# Altium PCB pay-ssm-v4-1.PcbDoc (part 2 of 2) (continued)
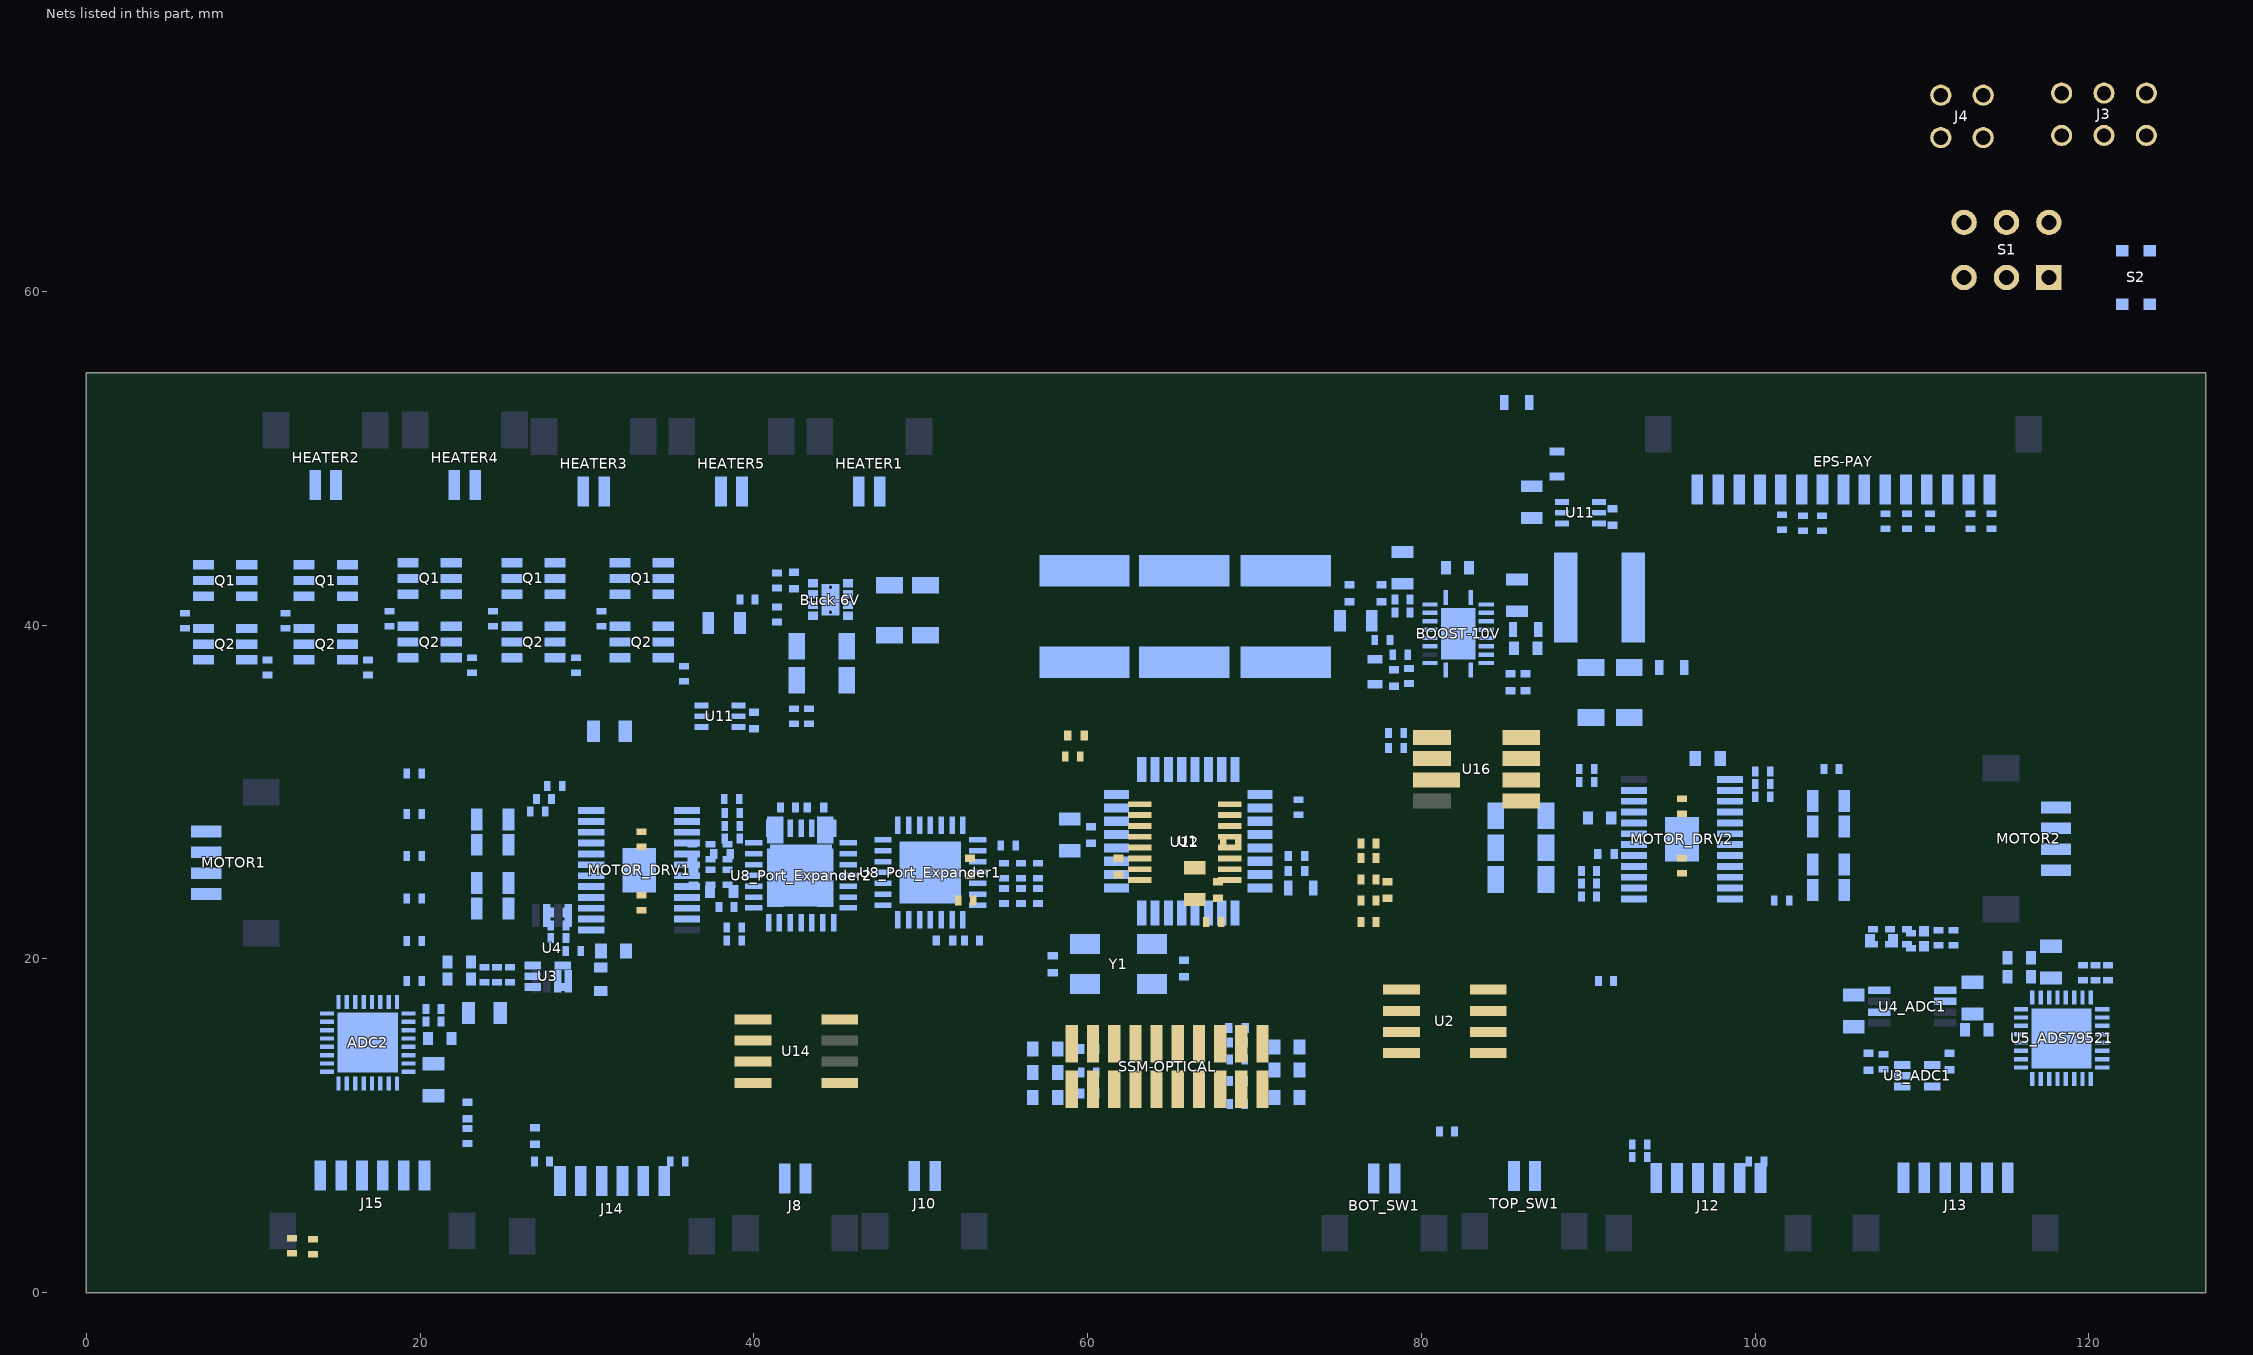
[diagram p4: the nets of this part, all layers, seen from the top]
## Part data (continued)
R80 R81 R82 R83 R84 R85: library part RES0402, "0402 resistor", Case Code (Metric)=1005, Manufacturer="TE Connectivity", Manufacturer Part Number=CRGCQ0402F330R, Max Operating Temperature=155°C, Max Power Dissipation=63mW, Min Operating Temperature=-55°C, Resistance=330R, Supplier Part Number 1=A129621CT-ND, Temperature Coefficient=100ppm/°C, Tolerance=1%, Case/Package=0402, Case Code (Imperial)=0402, Composition="Thick Film", Features="Moisture Resistant,Automotive AEC-Q200", Number of Terminations=2, Packaging="Tape and Reel", Pricing 1="1=0.1, 10=0.022, 100=0.009, 1000=0.00406, 2500=0.00352, 5000=0.00291 (USD)", Stock 1=224275, Supplier 1=Digi-Key
S1: library part "DPDT Switch", "DPDT Switch, customized for the pinout of the JS202011AQN switch.", Supplier Part Number 1=401-2000-ND, Supplier 1=Digi-Key
S2: library part "Pushbutton - Low Profile", "Schematic symbol for a generic 2-pin pushbutton, OFF-mom.", Supplier Part Number 1=CKN10587CT-ND, Supplier 1=Digi-Key
SSM-OPTICAL: Supplier Part Number 1=SAM8969-ND, Supplier 1=Digi-Key
U1: library part ATMEGA64M1_QFP, "Atmel 8-bit AVR microcontroller.", Supplier Part Number 1=ATMEGA64M1-AU-ND, Supplier 1=Digi-Key
U2: "3.3V CAN Transceiver with Standby Mode, Loop-back 8-SOIC -40 to 125", Package="SOIC-8 Texas Instruments", Supplier Part Number 1=296-14639-5-ND, Availability=Good, MF="Texas Instruments", MP=SN65HVD233D, Price="2.39 USD", SnapEDA_Link=https://www.snapeda.com/parts/SN65HVD233D/Texas%20Instruments/view-part/?ref=snap, Supplier 1=Digi-Key
U3 U3_ADC1: "Low power, low noise rail-to-rail op-amp.", Supplier Part Number 1=AD8613AKSZ-REEL7CT-ND, Supplier 1=Digi-Key
U4 U4_ADC1: "Voltage Reference", Supplier Part Number 1=296-41382-1-ND, Supplier 1=Digi-Key
U8_Port_Expander1 U8_Port_Expander2: "16 channel SPI port expander", Supplier Part Number 1=MCP23S17T-E/MLCT-ND, Supplier 1=Digi-Key
U11 U11: "IC CURR SENSE 1 CIRCUIT SC70-6", Supplier Part Number 1=296-51151-1-ND, ComponentLink1Description=Datasheet, ComponentLink1URL=http://www.ti.com/general/docs/suppproductinfo.tsp?distId=10&gotoUrl=http%3A%2F%2Fwww.ti.com%2Flit%2Fgpn%2Fina213-q1, Supplier 1=Digi-Key
U12: "Hex non-inverting buffer with 3-state outputs", Supplier Part Number 1=296-33932-5-ND, Supplier 1=Digi-Key
U14: "Digital humidity/temperature sensors. +/- 3% RH, 0-100%, SPI output. Model version with filter and condensation resistant.", Supplier Part Number=480-5705-1-ND, ComponentLink1Description=Datasheet, ComponentLink1URL=https://sensing.honeywell.com/index.php?ci_id=147071, Supplier=Digi-Key, Supplier 1=Digi-Key, Supplier Part Number 1=480-5705-1-ND
U16: "Digital 24-bit pressure sensor with SPI output. Operating range from 0-5bar, includes onboard temperature sensor and hermetic seal.", Supplier Part Number 1=824-MS580305BA01-00, ComponentLink1Description=14BA-Datasheet, ComponentLink1URL=https://www.te.com/commerce/DocumentDelivery/DDEController?Action=srchrtrv&DocNm=MS5803-14BA&DocType=Data+Sheet&DocLang=English, ComponentLink2Description=05BA-Datasheet, ComponentLink2URL=https://www.te.com/commerce/DocumentDelivery/DDEController?Action=srchrtrv&DocNm=MS5803-05BA&DocType=Data+Sheet&DocLang=English, Supplier 1=Mouser
Y1: library part AMB3B-8MHz, "8MHz Abracom 4-pin crystal.", Supplier Part Number 1=535-13456-1-ND, Supplier 1=Digi-Key

## Via types
v1: diameter 6.5, hole 3.6, Top Layer to Bottom Layer, 8 vias

## Nets (pads, with @x,y where several pads share a name; then routed paths per layer and width w, separated by ;. In a path a pad name is that pad's centre, name@x,y a point inside that pad or via, vN(x,y) a via of type N, cw(c..) or ccw(c..) an arc to the next point about the centre after c; other vN are vias at no path point)
+BATT: BATT2BST.2 BATT2HEAT.1 BATT2MOT.1 EPS-PAY.13 EPS-PAY.14 EPS-PAY.15
A0_Port_Expander1: R71_Port_Expander1.1 R74_Port_Expander1.2 U8_Port_Expander1.11
A0_Port_Expander2: R71.1 R74.2 U8_Port_Expander2.11
A1_Port_Expander1: R70_Port_Expander1.1 R73_Port_Expander1.2 U8_Port_Expander1.12
A1_Port_Expander2: R70.1 R73.2 U8_Port_Expander2.12
A2_Port_Expander1: R69_Port_Expander1.1 R72_Port_Expander1.2 U8_Port_Expander1.13
A2_Port_Expander2: R69.1 R72.2 U8_Port_Expander2.13
ADC1_CS_N: R19_ADC1.1 U1.26
ADC2_CS_N: R19.1 U1.27
ADC_AINP_ADC1: C11_ADC1.2 R21_ADC1.2 U5_ADS79521.3
ADC_AINP_ADC2: ADC2.3 C11.2 R21.2
ADC_BUF_OUT_ADC1: R21_ADC1.1 U3_ADC1.1 U3_ADC1.4
ADC_BUF_OUT_ADC2: R21.1 U3.1 U3.4
ADC_CH6_ADC1: R42.1 R78_MOT_DRV1.2 U5_ADS79521.12
ADC_CH7_ADC1: R43.1 R78_MOT_DRV2.2 U5_ADS79521.11
ADC_MXO_ADC1: U3_ADC1.3 U5_ADS79521.2
ADC_MXO_ADC2: ADC2.2 U3.3
ADECAY_MOTOR_DRV1: MOTOR_DRV1.3 R62.2@28.741,22.77 U8_Port_Expander1.22
ADECAY_MOTOR_DRV2: MOTOR_DRV2.3 R62.2@100.007,29.718 U8_Port_Expander1.2
AENBL_MOTOR_DRV1: MOTOR_DRV1.10 R58.2@27.501,28.829 U8_Port_Expander1.18
AENBL_MOTOR_DRV2: MOTOR_DRV2.10 R58.2@101.15,23.495 U8_Port_Expander1.26
AISEN_MOTOR_DRV1: MOTOR_DRV1.5 R56.2@25.304,23.024 R57.2@25.304,24.548
AISEN_MOTOR_DRV2: MOTOR_DRV2.5 R56.2@103.444,29.464 R57.2@103.444,27.94
AOUT1_MOTOR_DRV1: MOTOR1.1 MOTOR_DRV1.4
AOUT1_MOTOR_DRV2: MOTOR2.1 MOTOR_DRV2.4
AOUT2_MOTOR_DRV1: MOTOR1.2 MOTOR_DRV1.6
AOUT2_MOTOR_DRV2: MOTOR2.2 MOTOR_DRV2.6
AREF: C4.2 U1.21
AVCC: C3.2 L1.2 U1.19
BDECAY_MOTOR_DRV1: MOTOR_DRV1.2 R63.2@28.741,22.008 U8_Port_Expander1.23
BDECAY_MOTOR_DRV2: MOTOR_DRV2.2 R63.2@100.007,30.48 U8_Port_Expander1.3
BENBL_MOTOR_DRV1: MOTOR_DRV1.11 R59.2@27.882,29.591 U8_Port_Expander1.19
BENBL_MOTOR_DRV2: MOTOR_DRV2.11 R59.2@92.641,8.89 U8_Port_Expander1.27
BISEN_MOTOR_DRV1: MOTOR_DRV1.8 R54.2@25.304,26.834 R55.2@25.304,28.358
BISEN_MOTOR_DRV2: MOTOR_DRV2.8 R54.2@103.444,25.654 R55.2@103.444,24.13
BOOST_CURR_MON: U5_ADS79521.9 U11.6@88.435,47.386
BOOST_OUT: BOOST-10V.14 BOOST-10V.15 BOOST-10V.16 R28.1 R30.2 R32.2 U11.4@88.435,46.086
BOOST_TEMP: R36.1 R78.2@78.036,33.528 U5_ADS79521.10
BOOST_VOLT_DIV: BOOST-10V.17 R30.1 R34.2
BOOST_VOLT_MON: C30.2 R32.1 R35.2 U5_ADS79521.8
BOOT: BOOST-10V.8 C19.1
BOT_SW1_IRQ: BOT_SW1.2 R46.1 U8_Port_Expander2.19
BOT_SW2_IRQ: J10.2 R47.1 U8_Port_Expander2.20
BOUT1_MOTOR_DRV1: MOTOR1.3 MOTOR_DRV1.9
BOUT1_MOTOR_DRV2: MOTOR2.3 MOTOR_DRV2.9
BOUT2_MOTOR_DRV1: MOTOR1.4 MOTOR_DRV1.7
BOUT2_MOTOR_DRV2: MOTOR2.4 MOTOR_DRV2.7
BUCK_CURR_MON: ADC2.14 U11.6@36.873,35.194
BUCK_PWR_GOOD: Buck-6V.7 R38.2
BUCK_SS: Buck-6V.8 C35.2
BUCK_TEMP: ADC2.13 R41.1 R78.2@42.418,34.994
BUCK_VOLT_DIV: Buck-6V.6 R39.1 R40.1
BUCK_VOUT: Buck-6V.4 Buck-6V.5 R37.2 R38.1 U11.4@36.873,33.894
BUF_EN_N: R79.2 U12.1 U12.15
CAN_CM_F: C9.2 R12.1 R16.1
CANH: R2.2 R16.2 U2.7
CANH_R: EPS-PAY.2 R2.1
CANL: R1.2 R12.2 U2.6
CANL_R: EPS-PAY.1 R1.1
COMP: BOOST-10V.18 R27.2 R31.2
CONFIG_MOTOR_DRV1: MOTOR_DRV1.15 R51.1@38.255,27.977
CONFIG_MOTOR_DRV2: MOTOR_DRV2.15 R51.1@90.493,24.511
CS_N_R_ADC1: R19_ADC1.2 R24_ADS79521.1 U5_ADS79521.23
CS_N_R_ADC2: ADC2.23 R19.2 R24.1
EPS_RST: R10.2
EPS_RST_R: EPS-PAY.11 R10.1
FSW: BOOST-10V.3 R26.1
GEN_THM: ADC2.15 R76.1 R78_AmbientTemp.2
GND: ADC2.1 ADC2.4 ADC2.5 ADC2.6 ADC2.16 ADC2.17 ADC2.18 ADC2.19 ADC2.20 ADC2.22 ADC2.27 ADC2.30 ADC2.33 BOOST-10V.11 BOOST-10V.12 BOOST-10V.20 BOOST-10V.21 Buck-6V.3 Buck-6V.9 C1.1 C2.1 C3.1 C4.1 C5.1 C6.1 C7.1 C8.1 C9.1 C10.1 C10_ADC1.1 C11.1 C11_ADC1.1 C12.1 C13.1 C13_ADC1.1 C14.1 C14_ADC1.1 C15.1 C15_ADS79521.1 C16.1 C16_ADS79521.1 C17.1 C17_ADS79521.1 C18.1 C18_ADS79521.1 C20.1 C21.1 C22.1 C23.1 C24.1 C25.1 C26.1 C27.1 C28.1 C29.1 C30.1 C31.1 C32.1 C33.1 C34.1 C35.1 C37.1 C38.1 C39.1 C40.2 C41_Port_Expander1.1 C41_Port_Expander2.1 C42.2 C43.1 C44.2 C45.1 C46.1 D2.2 D3.2 D4.2 D5.2 D6.2 D7.2 EPS-PAY.3 EPS-PAY.7 EPS-PAY.12 J3.6 MOTOR_DRV1.21 MOTOR_DRV1.25 MOTOR_DRV2.21 MOTOR_DRV2.25 nSLEEP.2 Q1.4 Q2.4 R18.1 R29.1 R34.1 R35.1 R40.2 R44.2 R45.2 R46.2 R47.2 R50.1 R51.2 R52.1 R53.1 R54.1 R55.1 R56.1 R57.1 R58.1 R59.1 R60.1 R61.1 R62.1 R63.1 R72.1 R72_Port_Expander1.1 R73.1 R73_Port_Expander1.1 R74.1 R74_Port_Expander1.1 R78.1 R78_.1 R78_AmbientTemp.1 R78_MF_THM1_6.1 R78_MF_THM1_7.1 R78_MF_THM1_8.1 R78_MF_THM1_9.1 R78_MF_THM1_10.1 R78_MF_THM1_11.1 R78_MOT_DRV1.1 R78_MOT_DRV2.1 R79.1 S2.2 SSM-OPTICAL.2 SSM-OPTICAL.3 SSM-OPTICAL.6 SSM-OPTICAL.7 SSM-OPTICAL.10 SSM-OPTICAL.11 SSM-OPTICAL.13 SSM-OPTICAL.14 SSM-OPTICAL.15 SSM-OPTICAL.17 SSM-OPTICAL.18 SSM-OPTICAL.19 U1.5 U1.20 U2.2 U3.2 U3_ADC1.2 U4.4 U4_ADC1.4 U5_ADS79521.1 U5_ADS79521.4 U5_ADS79521.5 U5_ADS79521.6 U5_ADS79521.7 U5_ADS79521.19 U5_ADS79521.20 U5_ADS79521.22 U5_ADS79521.27 U5_ADS79521.30 U5_ADS79521.33 U8_Port_Expander1.6 U8_Port_Expander1.29 U8_Port_Expander2.6 U8_Port_Expander2.29 U11.1 U11.2 U12.8 U14.2 U16.2 U16.6 Y1.2 Y1.4
GPA0_Port_Expander1: MOTOR_DRV1.1 R53.2@28.741,21.246 R64.1@28.73,20.484 U8_Port_Expander1.17
GPA0_Port_Expander2: R44.1 TOP_SW1.2 U8_Port_Expander2.17
GPA1_Port_Expander2: J8.2 R45.1 U8_Port_Expander2.18
GPA3_Port_Expander1: MOTOR_DRV1.16 R48.1@38.255,27.215 U8_Port_Expander1.20
GPA4_Port_Expander1: MOTOR_DRV1.14 R52.2@38.255,28.739 U8_Port_Expander1.21
GPA4_Port_Expander2: U8_Port_Expander2.21
GPA5_Port_Expander2: U8_Port_Expander2.22
GPA6_Port_Expander2: U8_Port_Expander2.23
GPA7_Port_Expander1: U8_Port_Expander1.24
GPA7_Port_Expander2: U8_Port_Expander2.24
GPB0_Port_Expander1: MOTOR_DRV2.1 R53.2@100.007,31.242 R64.1@91.509,18.669 U8_Port_Expander1.25
GPB0_Port_Expander2: U8_Port_Expander2.25
GPB1_Port_Expander2: U8_Port_Expander2.26
GPB2_Port_Expander2: U8_Port_Expander2.27
GPB3_Port_Expander1: MOTOR_DRV2.16 R48.1@90.493,25.273 U8_Port_Expander1.28
GPB4_Port_Expander1: MOTOR_DRV2.14 R52.2@90.493,23.749 U8_Port_Expander1.1
GPB7_Port_Expander1: U8_Port_Expander1.4
GPIO_ADS79521: U5_ADS79521.29
GPIO_ADS79522: ADC2.29
HEATER_EN_HEATER1_N: Q2.3@9.622,37.922 R66.1@10.866,37.915 U8_Port_Expander2.28
HEATER_EN_HEATER2_N: Q2.3@15.646,37.922 R66.1@16.891,37.915 U8_Port_Expander2.1
HEATER_EN_HEATER3_N: Q2.3@21.869,38.049 R66.1@23.114,38.042 U8_Port_Expander2.2
HEATER_EN_HEATER4_N: Q2.3@28.092,38.049 R66.1@29.337,38.042 U8_Port_Expander2.3
HEATER_EN_HEATER5_N: Q2.3@34.569,38.049 R66.1@35.814,37.534 U8_Port_Expander2.4
HEATER_EN_PU_HEATER1: Q1.3@9.622,41.732 Q2.1@9.622,39.802 Q2.2@9.622,38.862 Q2.5@7.031,38.862 Q2.6@7.031,39.802 R65.1@5.913,39.809
HEATER_EN_PU_HEATER2: Q1.3@15.646,41.732 Q2.1@15.646,39.802 Q2.2@15.646,38.862 Q2.5@13.056,38.862 Q2.6@13.056,39.802 R65.1@11.938,39.809
HEATER_EN_PU_HEATER3: Q1.3@21.869,41.859 Q2.1@21.869,39.929 Q2.2@21.869,38.989 Q2.5@19.279,38.989 Q2.6@19.279,39.929 R65.1@18.161,39.936
HEATER_EN_PU_HEATER4: Q1.3@28.092,41.859 Q2.1@28.092,39.929 Q2.2@28.092,38.989 Q2.5@25.502,38.989 Q2.6@25.502,39.929 R65.1@24.384,39.936
HEATER_EN_PU_HEATER5: Q1.3@34.569,41.859 Q2.1@34.569,39.929 Q2.2@34.569,38.989 Q2.5@31.979,38.989 Q2.6@31.979,39.929 R65.1@30.861,39.936
HM_CSn: R77.1 U1.23 U14.3
ILIM: BOOST-10V.19 R29.2
IN4: U12.10
IN5: U12.12
IN6: U12.14
IND_BOOST: L2.2 R25.1
IND_BOOST_SENSE: BOOST-10V.4 BOOST-10V.5 BOOST-10V.6 BOOST-10V.7 C19.2 R25.2 R26.2
INTA_PEX1: U8_Port_Expander1.16
INTB_PEX1: U8_Port_Expander1.15
INTB_PEX2: U8_Port_Expander2.15
LBK: R15.2 U1.18
LBK_R: R15.1 U2.5
LED1: D2.1 R80.1
LED2: D3.1 R81.1
LED3: D4.1 R82.1
LED4: D5.1 R83.1
LED5: D6.1 R84.1
LED6: D7.1 R85.1
MF1_THM1: J12.2 R78_MF_THM1_6.2 U5_ADS79521.18
MF1_THM2: J12.4 R78_MF_THM1_7.2 U5_ADS79521.17
MF1_THM3: J12.6 R78_MF_THM1_8.2 U5_ADS79521.16
MF1_THM4: J13.2 R78_MF_THM1_9.2 U5_ADS79521.15
MF1_THM5: J13.4 R78_MF_THM1_10.2 U5_ADS79521.14
MF1_THM6: J13.6 R78_MF_THM1_11.2 U5_ADS79521.13
MF2_THM1: ADC2.7 J14.2 R78.2@19.212,31.111
MF2_THM2: ADC2.8 J14.4 R78_.2
MF2_THM3: ADC2.9 J14.6 R78.2@19.212,26.158
MF2_THM4: ADC2.10 J15.2 R78.2@19.212,23.618
MF2_THM5: ADC2.11 J15.4 R78.2@19.212,21.078
MF2_THM6: ADC2.12 J15.6 R78.2@19.212,18.665
MF_THM1_IN6: C14_ADC1.2 C18_ADS79521.2 J12.1 J12.3 J12.5 J13.1 J13.3 J13.5 R36.2 R42.2 R43.2 U4_ADC1.6 U5_ADS79521.31
MF_THM2_IN6: ADC2.31 C14.2 C18.2 J14.1 J14.3 J14.5 J15.1 J15.3 J15.5 R41.2 R76.2 U4.6
MISO: R20.1 R20_ADC1.1 SSM-OPTICAL.12 U1.8 U8_Port_Expander1.10 U8_Port_Expander2.10 U14.5 U16.8
MISO_A: J3.1 R4.2 U1.1
MISO_A_R: EPS-PAY.4 R4.1
MISO_R_ADC1: R20_ADC1.2 U5_ADS79521.26
MISO_R_ADC2: ADC2.26 R20.2
MOSI: R22.1 R22_ADC1.1 SSM-OPTICAL.8 U1.9 U8_Port_Expander1.9 U8_Port_Expander2.9 U16.7
MOSI_A/TX: J3.4 J4.2 J4.4 R6.2 U1.2 U12.4
MOSI_A/TX_R: EPS-PAY.6 R6.1
MOSI_R_ADC1: R22_ADC1.2 U5_ADS79521.25
MOSI_R_ADC2: ADC2.25 R22.2
NetC26_2: C26.2 R33.1
NetC29_2: C29.2 R31.1
NetD1_MOTOR_DRV1_1: nSLEEP.1@30.843,20.484 R64.2@29.63,20.484
NetD1_MOTOR_DRV2_1: nSLEEP.1@97.905,32.004 R64.2@90.609,18.669
NetJ11_HEATER1_2: HEATER1.2 Q1.1@9.622,43.612 Q1.2@9.622,42.672 Q1.5@7.031,42.672 Q1.6@7.031,43.612
NetJ11_HEATER2_2: HEATER2.2 Q1.1@15.646,43.612 Q1.2@15.646,42.672 Q1.5@13.056,42.672 Q1.6@13.056,43.612
NetJ11_HEATER3_2: HEATER3.2 Q1.1@21.869,43.739 Q1.2@21.869,42.799 Q1.5@19.279,42.799 Q1.6@19.279,43.739
NetJ11_HEATER4_2: HEATER4.2 Q1.1@28.092,43.739 Q1.2@28.092,42.799 Q1.5@25.502,42.799 Q1.6@25.502,43.739
NetJ11_HEATER5_2: HEATER5.2 Q1.1@34.569,43.739 Q1.2@34.569,42.799 Q1.5@31.979,42.799 Q1.6@31.979,43.739
NetR27_1: R27.1 R33.2
OBC_RST: R9.2
OBC_RST_R: EPS-PAY.10 R9.1
OPT_CS_N: SSM-OPTICAL.5 U1.3
OPT_DATA_RDY: SSM-OPTICAL.4 U1.30
OPT_RST_N: SSM-OPTICAL.9 U1.17
OUT1: R80.2 U12.3
OUT2: R81.2 U12.5
OUT3: R82.2 U12.7
OUT4: R83.2 U12.9
OUT5: R84.2 U12.11
OUT6: R85.2 U12.13
PAY_RST: R8.2 R11.1 S1.5 U1.31 U12.2
PAY_RST_R: EPS-PAY.9 R8.1
PC6: MOTOR_DRV1.13 R60.2@38.227,29.591 U1.22
PC7: MOTOR_DRV1.12 R61.2@28.517,30.353 U1.25
PD0: MOTOR_DRV2.13 R60.2@81.984,9.652 U1.29
PD1: MOTOR_DRV2.12 R61.2@92.641,8.128 U1.32
PD7: U1.15
PEX2_INTA: U1.16 U8_Port_Expander2.16
PEX_CS: R67_Port_Expander1.1 R67_Port_Expander2.1 U1.13 U8_Port_Expander1.7 U8_Port_Expander2.7
PEX_RST: R68_Port_Expander1.1 R68_Port_Expander2.1 U1.14 U8_Port_Expander1.14 U8_Port_Expander2.14
PR_CSn: R75.1 U1.24 U16.3
RS: R17.1 R18.2 U2.8
RS_IN: R17.2
RST_PROG: J3.5 S1.4
RST_SW: S1.6 S2.1
RX_SW: J4.1 J4.3 S1.3
RXCAN: R13.2 U1.7
RXD_R: R13.1 U2.4
SCK: R23.1 R23_ADC1.1 SSM-OPTICAL.16 U1.28 U8_Port_Expander1.8 U8_Port_Expander2.8 U14.4 U16.1
SCK_A: J3.3 S1.1
SCK_A/RX: R5.2 S1.2 U1.12 U12.6
SCK_A/RX_R: EPS-PAY.5 R5.1
SCLK_R_ADC1: R23_ADC1.2 U5_ADS79521.24
SCLK_R_ADC2: ADC2.24 R23.2
SS: BOOST-10V.10 C27.2
TRIM/NR_ADC1: C13_ADC1.2 U4_ADC1.5
TRIM/NR_ADC2: C13.2 U4.5
TXCAN: R14.2 U1.6
TXD_R: R14.1 U2.1
VCC3V3: ADC2.21 ADC2.28 ADC2.32 BOT_SW1.1 C1.2 C2.2 C7.2 C8.2 C10.2 C10_ADC1.2 C12.2 C15.2 C15_ADS79521.2 C16.2 C16_ADS79521.2 C17.2 C17_ADS79521.2 C41_Port_Expander1.2 C41_Port_Expander2.2 C42.1 C43.2 C45.2 C46.2 EPS-PAY.8 J3.2 J8.1 J10.1 L1.1 R11.2 R24.2 R24_ADS79521.2 R48.2 R49.2 R66.2 R67_Port_Expander1.2 R67_Port_Expander2.2 R68_Port_Expander1.2 R68_Port_Expander2.2 R69.2 R69_Port_Expander1.2 R70.2 R70_Port_Expander1.2 R71.2 R71_Port_Expander1.2 R75.2 R77.2 SSM-OPTICAL.1 SSM-OPTICAL.20 TOP_SW1.1 U1.4 U2.3 U3.5 U3_ADC1.5 U4.2 U4_ADC1.2 U5_ADS79521.21 U5_ADS79521.28 U5_ADS79521.32 U8_Port_Expander1.5 U8_Port_Expander2.5 U11.3 U12.16 U14.8 U16.5
VCC_BOOST: BOOST-10V.1 BOOST-10V.2 C25.2
VCC_HEATER: BATT2HEAT.2 C31.2 C32.2 HEATER1.1 HEATER2.1 HEATER3.1 HEATER4.1 HEATER5.1 R37.1 R39.2 R65.2 U11.5@36.873,34.544
VCC_MOTOR: BATT2MOT.2 Buck-6V.1 Buck-6V.2 C21.2 C24.2 C28.2 C33.2 C34.2 C36.2 C37.2 C38.2 C39.2 MOTOR_DRV1.18 MOTOR_DRV1.19 MOTOR_DRV2.18 MOTOR_DRV2.19 R28.2 U11.5@88.435,46.736
VCORE_HM: C44.1 U14.1
VCP_MOTOR_DRV1: C36.1@37.6,26.289 MOTOR_DRV1.17
VCP_MOTOR_DRV2: C36.1@91.559,26.289 MOTOR_DRV2.17
VIN_BOOST: BATT2BST.1 BOOST-10V.9 C20.2 C22.2 C23.2 L2.1
VINT_MOTOR_DRV1: C40.1@37.37,24.04 MOTOR_DRV1.20
VINT_MOTOR_DRV2: C40.1@91.378,28.448 MOTOR_DRV2.20
XTAL1: C5.2 U1.10 Y1.1
XTAL2: C6.2 U1.11 Y1.3
xVREF_MOTOR_DRV1: MOTOR_DRV1.22 MOTOR_DRV1.23 R49.1@38.382,21.119 R50.2@38.382,21.881
xVREF_MOTOR_DRV2: MOTOR_DRV2.22 MOTOR_DRV2.23 R49.1@90.366,31.369 R50.2@90.366,30.607
pads on no net: BOOST-10V.13 BOT_SW1. Buck-6V.V1 Buck-6V.V2 Buck-6V.V3 EPS-PAY. HEATER1. HEATER2. HEATER3. HEATER4. HEATER5. J8. J10. J12.7 J12.8 J13.7 J13.8 J14.7 J14.8 J15.7 J15.8 MOTOR1. MOTOR2. MOTOR_DRV1.24 MOTOR_DRV2.24 TOP_SW1. U4.1 U4.3 U4.7 U4.8 U4_ADC1.1 U4_ADC1.3 U4_ADC1.7 U4_ADC1.8 U14.6 U14.7 U16.4
copper on no net: | length 7.8
  Bottom Layer w0.254: 19.302,13.232 19.584,12.95 21.947,12.95 22.074,12.823 22.074,9.267 ; 26.9,8.894 27.544,8.894 28.043,9.394
  other v1: 5.588,6.731 57.588,6.731 69.588,6.731 121.588,6.731 5.588,48.231 57.588,48.231 69.588,48.231 121.588,48.231

## Polygon pours and split planes (outlines as drawn)
no net on GND "GND-No Net" (solid, shelved, pour order 97): 0,0 127,0 127,55.118 0,55.118
no net on GND "GND-No Net 1" (solid, shelved, pour order 96): 0,55.626
VCC_MOTOR on VCC "VCC-VCC_MOTOR" (solid, shelved, pour order 204): 94.869,34.29 94.869,47.498 77.216,47.498 38.735,47.498 38.735,34.29
VCC_MOTOR on VCC "VCC-VCC_MOTOR 1" (solid, shelved, pour order 192): 74.674,0.375 74.676,0.127 95.123,0.018 95.123,19.177 89.308,19.177 74.549,19.177 74.608,10.402 55.437,10.289 55.437,19.302 29.275,19.302 29.402,0.252 55.564,0.252 55.441,0.375
VCC3V3 on VCC "3V3LOGIC" (solid, shelved, pour order 102): 0.51,54.991 126.998,54.991 127,54.993 127,0.383 0.127,0.383 0,0.51
VCC_HEATER on VCC "VCC-VCC_HEATER" (solid, shelved, pour order 206): 0,34.29 38.1,34.29 38.1,47.879 84.074,47.879 84.074,55.264 37.719,54.991 0,54.991
VCC_MOTOR on VCC "MOTOR_CONN" (solid, shelved, pour order 198): 84.963,55.118 84.963,47.879 117.856,47.879 118.11,47.625 118.11,7.239 117.094,7.239 94.107,7.239 94.107,0 127,0 127,54.356 126.238,55.118
GND on Bottom Layer "ADC2_AGND3" (solid, shelved, pour order 184): 21.693,12.569 19.026,12.569 18.82,12.776 18.82,13.547 18.302,13.547 18.264,13.585 18.117,13.438 18.117,10.517 17.375,9.775 17.375,9.013 21.058,9.013 21.693,9.648
GND on Bottom Layer "ADC2_AGND" (solid, shelved, pour order 178): 16.232,20.316 16.232,18.03 16.827,18.03 16.867,17.989 16.867,16.887 17.375,16.887 17.335,16.927 17.335,17.915 17.871,17.915 17.883,17.903 17.883,16.887 18.772,16.887 18.772,15.998 19.661,15.998 19.661,14.347 19.661,13.966 19.875,13.95 19.858,13.966 18.772,13.966 18.772,13.077 14.962,13.077 14.962,16.506 13.819,16.506 13.819,20.316
MF_THM2_IN6 on Bottom Layer "ADC2-VCC2V5" (solid, shelved, pour order 174): 22.582,19.427 22.582,17.776 24.233,17.776 24.233,13.204 18.772,13.204 18.772,13.966 19.661,13.966 20.909,14.325 22.317,14.325 22.328,14.347 22.328,15.871 21.947,15.871 21.947,17.649 21.947,19.427
VCC3V3 on Bottom Layer "ADC2_3V3" (solid, shelved, pour order 172): 18.264,18.919 17.756,18.919 17.502,18.665 17.502,18.03 17.375,18.03 17.375,16.887 16.867,16.887 16.867,18.157 16.613,18.157 16.486,18.284 16.486,20.316 18.264,20.316
AISEN_MOTOR_DRV2 on Bottom Layer "AISEN_MOT2" (solid, shelved, pour order 144): 104.394,30.226 102.489,30.226 102.489,29.083 101.854,28.448 97.663,28.448 97.663,27.94 102.543,27.94 103.305,27.051 104.394,27.051
GND on Bottom Layer "GND-OUT-MOT1" (solid, shelved, pour order 142): 27.081,16.219 24.795,16.219 24.795,9.996 27.081,9.996
GND on Bottom Layer "GND_MOT1_DRV" (solid, shelved, pour order 140): 35.022,19.849 35.022,23.278 35.149,23.405 36.927,23.405 36.927,23.659 36.927,23.913 36.8,24.04 35.022,24.04 35.022,29.501 31.339,29.501 31.339,19.849
GND on Bottom Layer "GND_MOT2_DRV" (solid, shelved, pour order 139): 93.726,32.639 93.726,29.21 93.599,29.083 91.821,29.083 91.821,28.829 91.821,28.575 91.948,28.448 93.726,28.448 93.726,22.987 97.409,22.987 97.409,32.639
BISEN_MOTOR_DRV1 on Bottom Layer "BISEN_MOT1" (solid, shelved, pour order 132): 24.384,26.035 24.384,29.083 25.894,29.083 26.289,27.239 26.797,27.239 27.559,26.477 31.242,26.477 31.242,26.035
BISEN_MOTOR_DRV2 on Bottom Layer "BISEN_MOT2" (solid, shelved, pour order 131): 104.394,26.35 104.394,23.368 102.743,23.368 102.489,25.146 101.727,25.908 97.536,25.908 97.536,26.35
AISEN_MOTOR_DRV1 on Bottom Layer "AISEN_MOT1" (solid, shelved, pour order 130): 24.354,22.262 26.259,22.262 26.259,23.405 26.894,24.04 31.085,24.04 31.085,24.548 26.259,24.548 25.666,25.437 24.354,25.437
GND on Bottom Layer "BUCK_GND" (solid, shelved, pour order 129): 43.815,42.926 42.926,42.926 42.672,42.672 41.021,42.672 41.021,44.196 45.212,44.196 45.212,41.529 45.339,41.402 46.863,41.402 46.863,40.005 51.943,40.005 51.943,35.433 44.45,35.433 44.45,39.751 46.101,39.751 46.101,40.894 45.974,41.021 45.339,41.021 45.339,40.767 44.999,40.427 43.889,40.427 43.889,42.852
BUCK_VOUT on Bottom Layer "BUCK_VOUT" (solid, shelved, pour order 127): 46.101,40.894 43.18,40.894 42.799,40.513 40.64,40.513 40.132,41.021 38.608,41.021 38.608,39.37 39.751,39.37 40.259,39.878 46.101,39.878
GND on Bottom Layer "BST_PGND" (solid, shelved, pour order 118): 94.615,36.449 82.55,36.449 82.55,37.973 80.01,37.973 80.01,37.465 79.375,36.83 79.248,36.957 76.327,36.957 76.327,38.989 76.2,39.116 56.388,39.116 56.388,35.56 88.011,35.56 88.011,30.988 94.615,30.988
IND_BOOST_SENSE on Bottom Layer "IBS" (solid, shelved, pour order 115): 86.487,41.148 85.09,41.148 85.09,40.386 83.312,40.386 83.312,38.481 84.709,38.481 84.963,38.227 86.487,38.227
VCC_HEATER on Bottom Layer "BUCK_HEATER" (solid, shelved, pour order 128): 44.069,35.814 36.449,35.814 36.449,42.037 39.497,42.037 39.497,41.148 38.481,41.148 38.354,41.021 38.354,39.116 39.751,39.116 40.259,39.624 44.069,39.624
VCC_MOTOR on Bottom Layer "MOTOR_CONN2" (solid, shelved, pour order 200): 95.123,49.53 95.123,47.879 85.598,47.879 85.598,49.53
+BATT on Bottom Layer "Bottom Layer-+BATT" (solid, shelved, pour order 196): 99.695,48.006 99.822,48.006 99.695,54.483 99.693,54.61 85.979,54.61 85.979,49.784 95.377,49.784 95.377,36.703 99.695,36.703
GND on Bottom Layer "ADC2_GND2" (solid, shelved, pour order 182): 17.375,13.458 17.375,11.045 16.994,10.664 15.851,10.664 15.851,13.458
VCC_HEATER on Bottom Layer "HEAT1" (solid, shelved, pour order 170): 15.113,47.117 16.383,47.117 16.383,50.673 15.113,50.673
VCC_HEATER on Bottom Layer "HEAT2" (solid, shelved, pour order 168): 23.114,46.99 24.384,46.99 24.384,50.546 23.114,50.546
VCC_HEATER on Bottom Layer "HEAT3" (solid, shelved, pour order 166): 30.988,47.117 32.258,47.117 32.258,50.673 30.988,50.673
VCC_HEATER on Bottom Layer "HEAT5" (solid, shelved, pour order 164): 46.99,47.117 48.26,47.117 48.26,50.673 46.99,50.673
VCC_HEATER on Bottom Layer "HEAT4" (solid, shelved, pour order 162): 38.989,47.117 40.259,47.117 40.259,50.673 38.989,50.673
NetJ11_HEATER1_2 on Bottom Layer "HEATER1-NMOS" (solid, shelved, pour order 154): 10.414,43.942 10.414,42.291 6.096,42.291 6.096,43.942
NetJ11_HEATER2_2 on Bottom Layer "HEATER5-NMOS" (solid, shelved, pour order 152): 16.51,43.942 16.51,42.291 12.192,42.291 12.192,43.942
NetJ11_HEATER3_2 on Bottom Layer "HEATER3-NMOS" (solid, shelved, pour order 150): 22.733,44.133 22.733,42.481 18.415,42.481 18.415,44.133
NetJ11_HEATER4_2 on Bottom Layer "HEATER4-NMOS" (solid, shelved, pour order 148): 28.956,44.069 28.956,42.418 24.638,42.418 24.638,44.069
NetJ11_HEATER5_2 on Bottom Layer "HEATER5-NMOS" (solid, shelved, pour order 146): 35.433,44.069 35.433,42.418 31.115,42.418 31.115,44.069
VCC_MOTOR on Bottom Layer "VCCMOTOR_DRV2" (solid, shelved, pour order 134): 35.149,24.675 35.149,25.945 36.8,25.945 37.181,25.564 38.1,25.564 38.1,26.707 40.61,26.707 40.61,28.866 43.404,28.866 43.404,22.643 43.277,22.643 40.483,22.643 40.483,24.294 40.102,24.675
GND on Bottom Layer "GND-MOT1-ISEN" (solid, shelved, pour order 138): 22.068,22.135 24.1,22.135 24.1,29.12 22.068,29.12
GND on Bottom Layer "GND-OUT-MOT2" (solid, shelved, pour order 143): 41.559,29.681 39.273,29.681 39.273,23.458 41.559,23.458
GND on Bottom Layer "GND-MOT2-ISEN" (solid, shelved, pour order 137): 22.068,22.135 24.1,22.135 24.1,29.12 22.068,29.12
GND on Bottom Layer "GND-OUT-MOT2" (solid, shelved, pour order 141): 85.217,29.845 82.931,29.845 82.931,23.622 85.217,23.622
GND on Bottom Layer "GND-MOT2-ISEN" (solid, shelved, pour order 136): 106.68,30.353 104.648,30.353 104.648,23.368 106.68,23.368
no net on Bottom Layer "Bottom Layer-No Net 2" (solid, shelved, pour order 135): 90.043,24.765
VCC_MOTOR on Bottom Layer "VCCMOTOR_DRV2" (solid, shelved, pour order 133): 93.599,27.813 93.599,26.543 91.948,26.543 91.567,26.924 91.059,26.924 91.059,25.781 88.138,25.781 88.138,23.622 85.344,23.622 85.344,29.845 85.471,29.845 88.265,29.845 88.265,28.194 88.646,27.813
VCC_MOTOR on Bottom Layer "BUCK_IN" (solid, shelved, pour order 126): 47.117,44.196 45.212,44.196 45.212,41.529 47.117,41.529
BOOST_OUT on Bottom Layer "BST_OUT" (solid, shelved, pour order 125): 81.026,39.878 81.026,38.608 79.883,38.608 79.502,38.227 79.502,37.846 78.74,37.846 78.74,38.735 77.724,38.735 77.724,39.116 78.486,39.878
VCC_MOTOR on Bottom Layer "BST_CAPS" (solid, shelved, pour order 122): 74.549,44.196 74.549,40.005 46.863,40.005 46.863,44.196
GND on Bottom Layer "BST_AGND" (solid, shelved, pour order 119): 81.12,37.973 83.185,37.973 83.185,41.021 81.788,41.021 81.788,46.736 75.311,46.736 75.311,41.91 78.105,41.91 78.105,43.18 80.772,43.18 80.772,41.529 80.962,41.338 81.12,41.181 81.12,40.861
IND_BOOST on Bottom Layer "IND_BOOST" (solid, shelved, pour order 117): 89.408,44.45 86.741,44.45 86.741,44.196 86.741,39.116 87.376,39.116 87.63,39.116 87.757,38.989 89.408,38.989
VIN_BOOST on Bottom Layer "VINBST" (solid, shelved, pour order 116): 94.869,45.593 90.932,45.593 90.932,38.354 91.059,38.227 89.154,38.227 89.154,36.703 94.869,36.703
no net on Bottom Layer "Bottom Layer-No Net 1" (solid, shelved, pour order 114): 81.026,39.878
VCC_HEATER on Bottom Layer "BATT-TO-HEATER" (solid, shelved, pour order 113): 85.471,54.61 82.296,54.61 82.296,48.26 85.471,48.26